# Altium PCB 28pins_Pcb.PcbDoc (part 1 of 2) (continued)
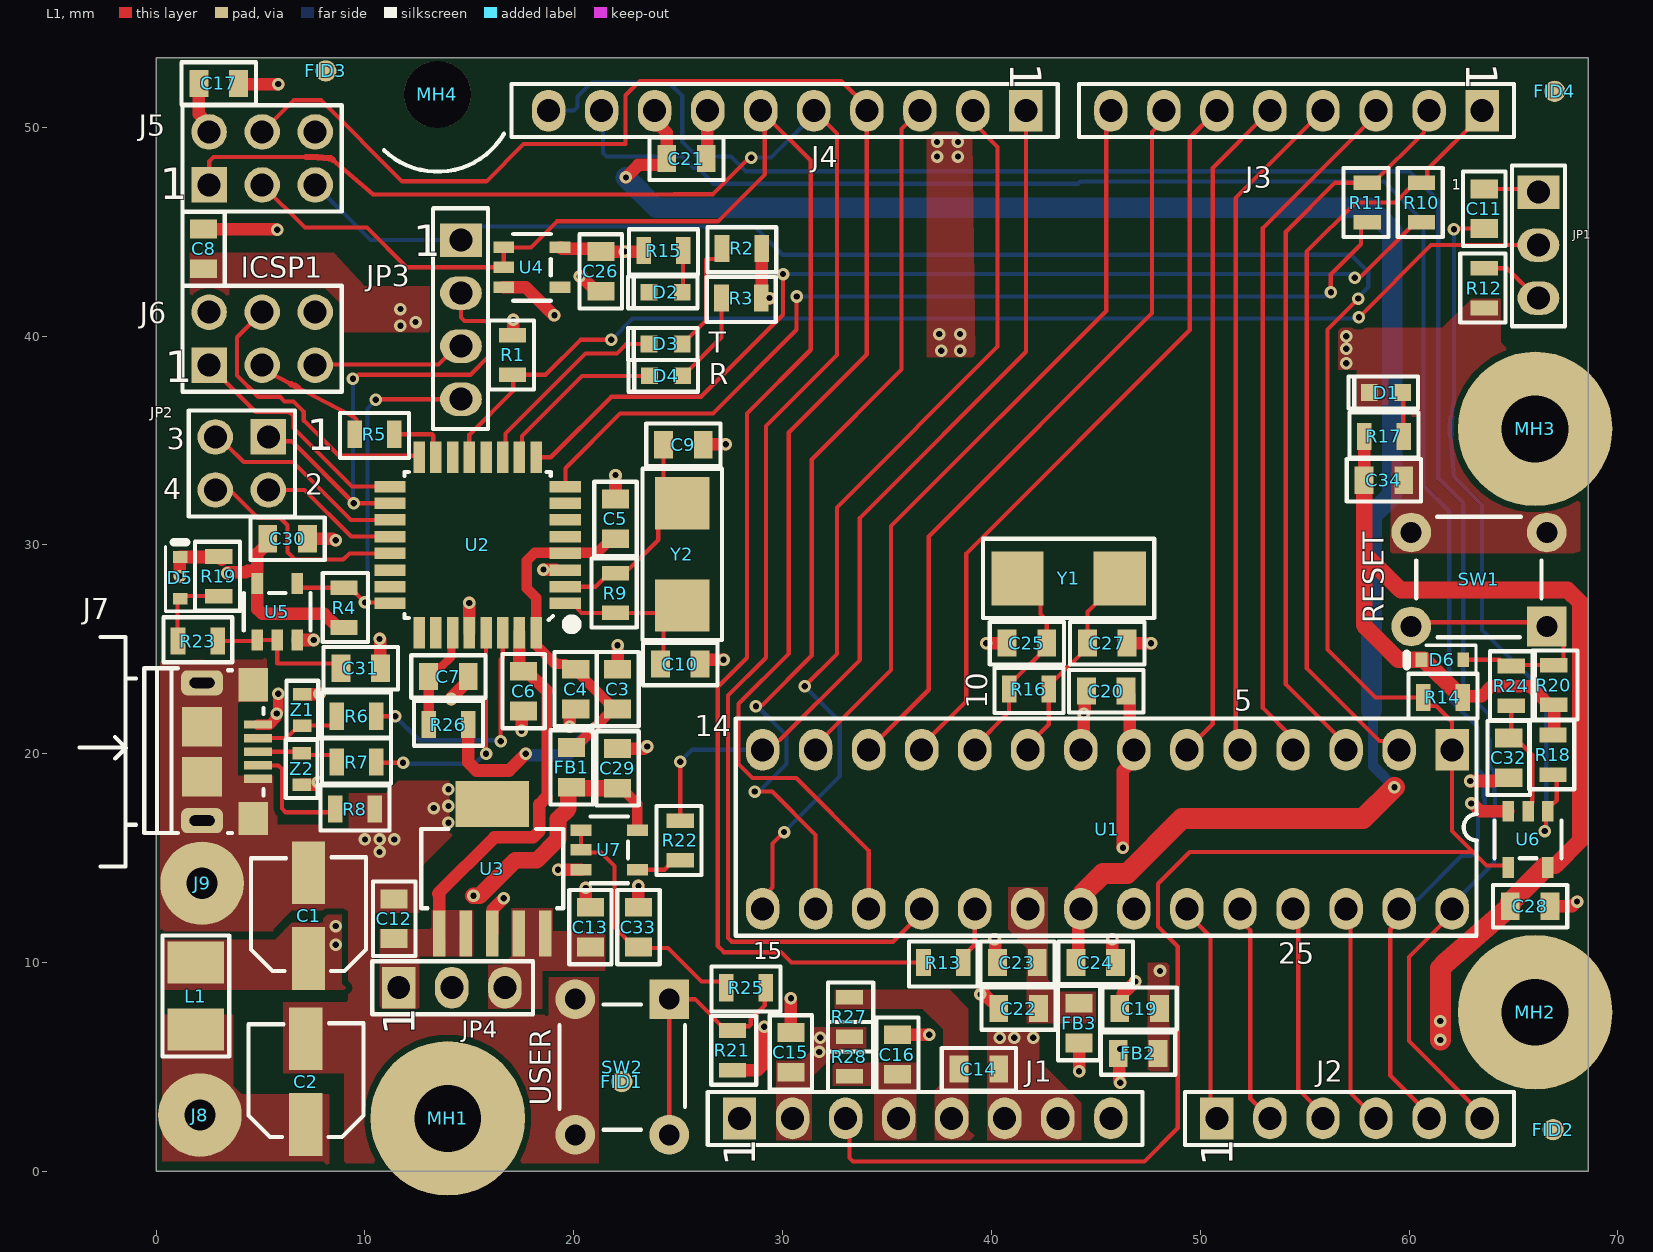
[diagram p0: L1 view]
## Part data (continued)
D5 D6: "Small Signal Schottky Diode, Single, 30 V, 200 Ma, 800 Mv, 600 Ma, 150 C", Average Rectified Current=200mA, Breakdown Voltage=30V, Forward Voltage=240mV, Manufacturer=onsemi, Manufacturer Lifecycle Status=ACTIVE, Max Forward Surge Current (Ifsm)=600mA, Max Operating Temperature=150°C, Max Power Dissipation=200mW, Max Reverse Leakage Current=2µA, Min Operating Temperature=-55°C, Category="Schottky Diodes", China RoHS=Compliant, ComponentLink1Description=https://datasheet.octopart.com:443/BAT54HT1G-ON-Semiconductor-datasheet-37002776.pdf?src-supplier=Master+Electronics, ComponentLink1URL=https://datasheet.octopart.com:443/BAT54HT1G-ON-Semiconductor-datasheet-37002776.pdf?src-supplier=Master+Electronics, ComponentLink2Description=https://datasheet.octopart.com:443/BAT54HT1G-onsemi-datasheet-189128040.pdf?src-supplier=Master+Electronics, ComponentLink2URL=https://datasheet.octopart.com:443/BAT54HT1G-onsemi-datasheet-189128040.pdf?src-supplier=Master+Electronics, ComponentLink3Description=https://datasheet.octopart.com:443/BAT54HT1G-onsemi-datasheet-180957868.pdf?src-supplier=IHS, ComponentLink3URL=https://datasheet.octopart.com:443/BAT54HT1G-onsemi-datasheet-180957868.pdf?src-supplier=IHS, ComponentLink4Description=https://datasheet.octopart.com:443/BAT54HT1G-Fairchild-Semiconductor-datasheet-21199251.pdf?src-supplier=IHS, ComponentLink4URL=https://datasheet.octopart.com:443/BAT54HT1G-Fairchild-Semiconductor-datasheet-21199251.pdf?src-supplier=IHS, ComponentLink5Description=https://datasheet.octopart.com:443/BAT54HT1G-ON-Semiconductor-datasheet-7594180.pdf?src-supplier=onsemi, ComponentLink5URL=https://datasheet.octopart.com:443/BAT54HT1G-ON-Semiconductor-datasheet-7594180.pdf?src-supplier=onsemi, ComponentLink6Description=https://datasheet.octopart.com:443/BAT54HT1G-onsemi-datasheet-181958672.pdf?src-supplier=Newark, ComponentLink6URL=https://datasheet.octopart.com:443/BAT54HT1G-onsemi-datasheet-181958672.pdf?src-supplier=Newark, ComponentLink7Description=https://datasheet.octopart.com:443/BAT54HT1G-ON-Semiconductor-datasheet-11728044.pdf?src-supplier=Newark, ComponentLink7URL=https://datasheet.octopart.com:443/BAT54HT1G-ON-Semiconductor-datasheet-11728044.pdf?src-supplier=Newark, ComponentLink8Description=https://datasheet.octopart.com:443/BAT54HT1G-Fairchild-Semiconductor-datasheet-67878757.pdf?src-supplier=Newark, ComponentLink8URL=https://datasheet.octopart.com:443/BAT54HT1G-Fairchild-Semiconductor-datasheet-67878757.pdf?src-supplier=Newark, ComponentLink9Description=https://datasheet.octopart.com:443/BAT54HT1G-Fairchild-Semiconductor-datasheet-67910283.pdf?src-supplier=Newark, ComponentLink9URL=https://datasheet.octopart.com:443/BAT54HT1G-Fairchild-Semiconductor-datasheet-67910283.pdf?src-supplier=Newark, ComponentLink10Description=https://datasheet.octopart.com:443/BAT54HT1G-Fairchild-Semiconductor-datasheet-12526481.pdf?src-supplier=Fairchild+Semiconductor, ComponentLink10URL=https://datasheet.octopart.com:443/BAT54HT1G-Fairchild-Semiconductor-datasheet-12526481.pdf?src-supplier=Fairchild+Semiconductor, ComponentLink11Description=https://sigma.octopart.com:443/17344476/technical_drawing/Fairchild-Semiconductor-BAT54HT1G.pdf?src-supplier=Fairchild+Semiconductor, ComponentLink11URL=https://sigma.octopart.com:443/17344476/technical_drawing/Fairchild-Semiconductor-BAT54HT1G.pdf?src-supplier=Fairchild+Semiconductor, ComponentLink12Description=https://datasheet.octopart.com:443/BAT54HT1G-ON-Semiconductor-datasheet-78857375.pdf?src-supplier=element14+APAC, ComponentLink12URL=https://datasheet.octopart.com:443/BAT54HT1G-ON-Semiconductor-datasheet-78857375.pdf?src-supplier=element14+APAC, ComponentLink13Description=https://datasheet.octopart.com:443/BAT54HT1G-Fairchild-Semiconductor-datasheet-14041551.pdf?src-supplier=iiiC, ComponentLink13URL=https://datasheet.octopart.com:443/BAT54HT1G-Fairchild-Semiconductor-datasheet-14041551.pdf?src-supplier=iiiC, ComponentLink14Description=https://datasheet.octopart.com:443/BAT54HT1G-ON-Semiconductor-datasheet-9904951.pdf?src-supplier=RS+(Formerly+Allied+Electronics), ComponentLink14URL=https://datasheet.octopart.com:443/BAT54HT1G-ON-Semiconductor-datasheet-9904951.pdf?src-supplier=RS+(Formerly+Allied+Electronics), ComponentLink15Description=https://datasheet.octopart.com:443/BAT54HT1G-ON-Semiconductor-datasheet-8442547.pdf?src-supplier=Jameco, ComponentLink15URL=https://datasheet.octopart.com:443/BAT54HT1G-ON-Semiconductor-datasheet-8442547.pdf?src-supplier=Jameco, ComponentLink16Description=https://datasheet.octopart.com:443/BAT54HT1G-Fairchild-datasheet-1483.pdf?src-supplier=DigiKey, ComponentLink16URL=https://datasheet.octopart.com:443/BAT54HT1G-Fairchild-datasheet-1483.pdf?src-supplier=DigiKey, ComponentLink17Description=https://datasheet.octopart.com:443/BAT54HT1G-Fairchild-Semiconductor-datasheet-68652800.pdf?src-supplier=Farnell, ComponentLink17URL=https://datasheet.octopart.com:443/BAT54HT1G-Fairchild-Semiconductor-datasheet-68652800.pdf?src-supplier=Farnell, ComponentLink18Description=http://sigma.octopart.com:80/15540786/rohs_certificate/ON-Semiconductor-BAT54HT1G.pdf?src-supplier=Compliance+Statements, ComponentLink18URL=http://sigma.octopart.com:80/15540786/rohs_certificate/ON-Semiconductor-BAT54HT1G.pdf?src-supplier=Compliance+Statements, ComponentLink19Description=http://sigma.octopart.com:80/15674218/materials_sheet/ON-Semiconductor-BAT54HT1G.csv?src-supplier=Compliance+Statements, ComponentLink19URL=http://sigma.octopart.com:80/15674218/materials_sheet/ON-Semiconductor-BAT54HT1G.csv?src-supplier=Compliance+Statements, ComponentLink20Description=http://sigma.octopart.com:80/150604023/rohs_statement/ON-Semiconductor-BAT54HT1G.pdf?src-supplier=Compliance+Statements, ComponentLink20URL=http://sigma.octopart.com:80/150604023/rohs_statement/ON-Semiconductor-BAT54HT1G.pdf?src-supplier=Compliance+Statements, ComponentLink21Description=http://sigma.octopart.com:80/17344520/reach_statement/Fairchild-Semiconductor-BAT54HT1G.pdf?src-supplier=Compliance+Statements, ComponentLink21URL=http://sigma.octopart.com:80/17344520/reach_statement/Fairchild-Semiconductor-BAT54HT1G.pdf?src-supplier=Compliance+Statements, ComponentLink22Description=http://sigma.octopart.com:80/17344521/materials_sheet/Fairchild-Semiconductor-BAT54HT1G.pdf?src-supplier=Compliance+Statements, ComponentLink22URL=http://sigma.octopart.com:80/17344521/materials_sheet/Fairchild-Semiconductor-BAT54HT1G.pdf?src-supplier=Compliance+Statements, ComponentLink23Description=http://sigma.octopart.com:80/33050028/reach_statement/Fairchild-Semiconductor-BAT54HT1G.pdf?src-supplier=Compliance+Statements, ComponentLink23URL=http://sigma.octopart.com:80/33050028/reach_statement/Fairchild-Semiconductor-BAT54HT1G.pdf?src-supplier=Compliance+Statements, ComponentLink24Description=http://sigma.octopart.com:80/33050038/materials_sheet/Fairchild-Semiconductor-BAT54HT1G.pdf?src-supplier=Compliance+Statements, ComponentLink24URL=http://sigma.octopart.com:80/33050038/materials_sheet/Fairchild-Semiconductor-BAT54HT1G.pdf?src-supplier=Compliance+Statements, ComponentLink25Description=http://sigma.octopart.com:80/reach_statement/ON-Semiconductor-company-79.pdf?src-supplier=Compliance+Statements, ComponentLink25URL=http://sigma.octopart.com:80/reach_statement/ON-Semiconductor-company-79.pdf?src-supplier=Compliance+Statements, ComponentLink26Description=http://sigma.octopart.com:80/rohs_statement/Fairchild-Semiconductor-company-11.pdf?src-supplier=Compliance+Statements, ComponentLink26URL=http://sigma.octopart.com:80/rohs_statement/Fairchild-Semiconductor-company-11.pdf?src-supplier=Compliance+Statements, ComponentLink27Description=http://sigma.octopart.com:80/rohs_statement/Fairchild-Semiconductor-company-10.pdf?src-supplier=Compliance+Statements, ComponentLink27URL=http://sigma.octopart.com:80/rohs_statement/Fairchild-Semiconductor-company-10.pdf?src-supplier=Compliance+Statements, ComponentLink28Description=http://sigma.octopart.com:80/reach_statement/Fairchild-Semiconductor-company-9.pdf?src-supplier=Compliance+Statements, ComponentLink28URL=http://sigma.octopart.com:80/reach_statement/Fairchild-Semiconductor-company-9.pdf?src-supplier=Compliance+Statements, ComponentLink29Description=https://octopart.com:443/opatz8j6/c1?t=NxqmJXnDQ9SHP2jcfHO_14rNumejt15-16_4_vp5eu6i0yAN1p-X06QrDYPRWMXyxiIHhXDKroLL5cYpOcE-ol8KMF1-bVyUFLJEk0McHoe2qW59b1clotALXMQwloDRPlfMM2Ltv-cJDoGnTfqmQ7WgL399Q5zOCW7d0UoqBvmGylR6P3Ti1cGTJMBlaGi3hCJecvle7Pk7__IIrQCZBzNY0280Lk0G6w4S_Fz_9gHuJxQcvYgE1adTDVVvqNaxq9lP5Aw5VMBFO4D4jn0DfWer_h8vwc6fE7SGE249DHnBaWWp6DmooLI3dA82Fcc4rsUksvYAKydZkpPyiajKpzePRFLsYUTVLA&src-supplier=Compliance+Statements, ComponentLink29URL=https://octopart.com:443/opatz8j6/c1?t=NxqmJXnDQ9SHP2jcfHO_14rNumejt15-16_4_vp5eu6i0yAN1p-X06QrDYPRWMXyxiIHhXDKroLL5cYpOcE-ol8KMF1-bVyUFLJEk0McHoe2qW59b1clotALXMQwloDRPlfMM2Ltv-cJDoGnTfqmQ7WgL399Q5zOCW7d0UoqBvmGylR6P3Ti1cGTJMBlaGi3hCJecvle7Pk7__IIrQCZBzNY0280Lk0G6w4S_Fz_9gHuJxQcvYgE1adTDVVvqNaxq9lP5Aw5VMBFO4D4jn0DfWer_h8vwc6fE7SGE249DHnBaWWp6DmooLI3dA82Fcc4rsUksvYAKydZkpPyiajKpzePRFLsYUTVLA&src-supplier=Compliance+Statements, ComponentLink30Description=https://octopart.com:443/opatz8j6/c1?t=lH6wopDQTvFnMixiXJR5AxXl35ykNnRsla-ZJSesoCQvYAvU1dv64ajw4NS3XZoKwAALpMS_D0k5EjSbnKJKr9HVRH8ouER73FmqYcfXnFDbsGwZzJLwUsZAPMiyf7FMibUpzIuxs-Q1RGbwoPlzOwf11I97rgkrbMu7SXnIg34De2LAMa5PSASGAFMaxRQVQufGhQ-nR_8GDdIDdrNTVvt8hHcPIO7CjhXsBkDjYgRw7gCHY798bKcB-FXCY_GeQoefPFo-axDxKfLr-58B2Ase0eKS3AvWr5fkGG6nPa91JK9J9RYJVvjTgMXB88q-pd9bKlJX62F2RJoo8e5lGf-Dzt5jmn_qeZg&src-supplier=Compliance+Statements, ComponentLink30URL=https://octopart.com:443/opatz8j6/c1?t=lH6wopDQTvFnMixiXJR5AxXl35ykNnRsla-ZJSesoCQvYAvU1dv64ajw4NS3XZoKwAALpMS_D0k5EjSbnKJKr9HVRH8ouER73FmqYcfXnFDbsGwZzJLwUsZAPMiyf7FMibUpzIuxs-Q1RGbwoPlzOwf11I97rgkrbMu7SXnIg34De2LAMa5PSASGAFMaxRQVQufGhQ-nR_8GDdIDdrNTVvt8hHcPIO7CjhXsBkDjYgRw7gCHY798bKcB-FXCY_GeQoefPFo-axDxKfLr-58B2Ase0eKS3AvWr5fkGG6nPa91JK9J9RYJVvjTgMXB88q-pd9bKlJX62F2RJoo8e5lGf-Dzt5jmn_qeZg&src-supplier=Compliance+Statements, Contact Plating=Tin, Country of Origin="Mainland China", Current Rating=200mA, Element Configuration=Single, Export Control Classification Number (ECCN) Code=EAR99, Forward Current=200mA, Harmonized Tariff Schedule (HTS) Code=8541.10.00.70, Height=1mm, Introduction Date=1999-12-06, Lead Free="Lead Free", Length=1.8mm, Lifecycle Status=Production, Manufacturer Part Number=BAT54HT1G, Max Output current=200mA, Max Repetitive Reverse Voltage (Vrrm)=30V, Max Reverse Voltage (DC)=30V, Max Surge Current=600mA, Mounting Technology="Surface Mount", Number of Elements=1, Number of Terminals=2, Output Current=200mA, Packaging="Tape and Reel", Peak Non-Repetitive Surge Current=600mA, Peak Reverse Current=2µA, Pins=2, Polarity=Standard, Power Dissipation=200mW, Pricing="3000=0.0176, 9000=0.0172, 15000=0.017, 45000=0.0166, 75000=0.0162 (USD)", Radiation Hardening=No, REACH SVHC=Yes, Recovery Time=5ns, Reverse Recovery Time=5ns, Reverse Standoff Voltage=30V, Reverse Voltage=30V, RoHS=Compliant, Schedule B="8541100070, 8541100070|8541100070|8541100070|8541100070|8541100070", Stock=24858000, Supplier="Future Electronics", Supplier Part Number=BAT54HT1G, Voltage Rating (DC)=30V, Width=1.35mm
FB1 FB2 FB3: "Ferrite Beads Multi-Layer Power 600Ohm 25% 100MHz 2A 100mOhm DCR 0805 T/R", Case Code (Imperial)=0805, Case Code (Metric)=2012, Clock Frequency=100MHz, Current Rating=2A, DC Resistance (DCR)=100mΩ, Manufacturer=TDK, Manufacturer Lifecycle Status=PRODUCTION, Max Operating Temperature=125°C, Min Operating Temperature=-55°C, Tolerance=25%, Case/Package=0805, Category="Ferrite Beads and Chips", China RoHS=Compliant, ComponentLink1Description=https://datasheet.octopart.com:443/MPZ2012S601AT000-TDK-datasheet-155380320.pdf?src-supplier=ODG+(Origin+Data+Global), ComponentLink1URL=https://datasheet.octopart.com:443/MPZ2012S601AT000-TDK-datasheet-155380320.pdf?src-supplier=ODG+(Origin+Data+Global), ComponentLink2Description=https://datasheet.octopart.com:443/MPZ2012S601AT000-TDK-datasheet-166558464.pdf?src-supplier=Farnell, ComponentLink2URL=https://datasheet.octopart.com:443/MPZ2012S601AT000-TDK-datasheet-166558464.pdf?src-supplier=Farnell, ComponentLink3Description=https://datasheet.octopart.com:443/MPZ2012S601AT000-TDK-datasheet-12512619.pdf?src-supplier=Farnell, ComponentLink3URL=https://datasheet.octopart.com:443/MPZ2012S601AT000-TDK-datasheet-12512619.pdf?src-supplier=Farnell, ComponentLink4Description=https://datasheet.octopart.com:443/MPZ2012S601AT000-TDK-datasheet-8365394.pdf?src-supplier=Farnell, ComponentLink4URL=https://datasheet.octopart.com:443/MPZ2012S601AT000-TDK-datasheet-8365394.pdf?src-supplier=Farnell, ComponentLink5Description=https://datasheet.octopart.com:443/MPZ2012S601AT000-TDK-datasheet-7554990.pdf?src-supplier=Farnell, ComponentLink5URL=https://datasheet.octopart.com:443/MPZ2012S601AT000-TDK-datasheet-7554990.pdf?src-supplier=Farnell, ComponentLink6Description=https://datasheet.octopart.com:443/MPZ2012S601AT000-TDK-datasheet-39118740.pdf?src-supplier=Upverter, ComponentLink6URL=https://datasheet.octopart.com:443/MPZ2012S601AT000-TDK-datasheet-39118740.pdf?src-supplier=Upverter, ComponentLink7Description=https://datasheet.octopart.com:443/MPZ2012S601AT000-TDK-datasheet-82475261.pdf?src-supplier=Newark, ComponentLink7URL=https://datasheet.octopart.com:443/MPZ2012S601AT000-TDK-datasheet-82475261.pdf?src-supplier=Newark, ComponentLink8Description=https://datasheet.octopart.com:443/MPZ2012S601AT000-TDK-datasheet-41739209.pdf?src-supplier=Newark, ComponentLink8URL=https://datasheet.octopart.com:443/MPZ2012S601AT000-TDK-datasheet-41739209.pdf?src-supplier=Newark, ComponentLink9Description=https://datasheet.octopart.com:443/MPZ2012S601AT000-TDK-datasheet-21218011.pdf?src-supplier=Newark, ComponentLink9URL=https://datasheet.octopart.com:443/MPZ2012S601AT000-TDK-datasheet-21218011.pdf?src-supplier=Newark, ComponentLink10Description=https://datasheet.octopart.com:443/MPZ2012S601AT000-TDK-datasheet-21631858.pdf?src-supplier=Future+Electronics, ComponentLink10URL=https://datasheet.octopart.com:443/MPZ2012S601AT000-TDK-datasheet-21631858.pdf?src-supplier=Future+Electronics, ComponentLink11Description=https://datasheet.octopart.com:443/MPZ2012S601AT000-TDK-datasheet-62109747.pdf?src-supplier=Electro+Sonic, ComponentLink11URL=https://datasheet.octopart.com:443/MPZ2012S601AT000-TDK-datasheet-62109747.pdf?src-supplier=Electro+Sonic, ComponentLink12Description=https://datasheet.octopart.com:443/MPZ2012S601AT000-TDK-datasheet-155118627.pdf?src-supplier=Master+Electronics, ComponentLink12URL=https://datasheet.octopart.com:443/MPZ2012S601AT000-TDK-datasheet-155118627.pdf?src-supplier=Master+Electronics, Core Material=Ferrite, ESR=100mΩ, Export Control Classification Number (ECCN) Code=EAR99, Harmonized Tariff Schedule (HTS) Code=8504.50.80.00, Height=850µm, Impedance=600Ω, Introduction Date=2009-03-27, Lead Free="Lead Free", Length=2mm, Lifecycle Status=Production, Manufacturer Part Number=MPZ2012S601AT000, Max DC Current=2A, Max Length=2.2mm, Max Width=1.45mm, Min Length=1.8mm, Min Width=1.05mm, Mounting Technology="Surface Mount", Number of Circuits=1, Packaging="Tape and Reel", Pricing="10=0.0631, 100=0.0441, 500=0.0337, 1000=0.0303, 2000=0.0297 (EUR)", REACH SVHC=Yes, RMS Current (Irms)=2A, RoHS=Compliant, Schedule B="8504500000, 8504500000|8504500000|8504500000|8504500000|8504500000", Stock=90749, Supplier=Farnell, Supplier Part Number=MPZ2012S601AT000, Test Frequency=100MHz, Width=1.25mm
FID1 FID2 FID3 FID4: "Fiducial 40mil Diameter, 120mil Mask"
J1 J3: library part M20-7820842, "2.54mm (0.1) Pitch SIL Vertical PC Tail Socket Assembly, selective gold + tin, 8 contacts\"", Case/Package=SIL, Color=Black, Contact Resistance=20mΩ, Current Rating=3A, Dielectric Material=Polyamide, Insulation Resistance=1GΩ, Manufacturer=Harwin, Max Operating Temperature=105°C, Min Operating Temperature=-40°C, Supplier Part Number=952-1823-ND, Category="Card Edge Connectors", ComponentLink1Description=https://datasheet.octopart.com:443/M20-7820842-Harwin-datasheet-176383844.pdf?src-supplier=Newark, ComponentLink1URL=https://datasheet.octopart.com:443/M20-7820842-Harwin-datasheet-176383844.pdf?src-supplier=Newark, ComponentLink2Description=https://datasheet.octopart.com:443/M20-7820842-Harwin-datasheet-99119574.pdf?src-supplier=HQonline, ComponentLink2URL=https://datasheet.octopart.com:443/M20-7820842-Harwin-datasheet-99119574.pdf?src-supplier=HQonline, ComponentLink3Description=http://sigma.octopart.com:80/15888290/rohs_statement/Harwin-M20-7820842.pdf?src-supplier=Compliance+Statements, ComponentLink3URL=http://sigma.octopart.com:80/15888290/rohs_statement/Harwin-M20-7820842.pdf?src-supplier=Compliance+Statements, Connector Type="Receptacle, Socket", Contact Gender=Female, Contact Material=Bronze, Contact Plating="Gold, Tin", Country of Origin="Mainland China", Depth=2.5mm, Export Control Classification Number (ECCN) Code=EAR99, Gender=Female, Harmonized Tariff Schedule (HTS) Code=8536.69.40.40, Housing Color=Black, Housing Material=Polyamide, Introduction Date=2005-06-27, Length=20.72mm, Lifecycle Status=Production, Manufacturer Part Number=M20-7820842, Max Current Rating=3A, Mounting Technology="Through Hole", Number of Contacts=8, Number of Positions=8, Number of Rows=1, Orientation=Straight, Pins=8, Pitch=2.54mm, Pricing="1=1.09, 27=0.86593, 108=1.09, 513=0.70333, 1026=0.66975, 5022=0.59878, 10017=0.57033 (EUR)", Radiation Hardening=No, REACH SVHC=Yes, RoHS=Compliant, Stock=3322, Supplier=DigiKey, Terminal Pitch=2.54mm, Termination=Solder, Weight=719.992839mg
J2: library part M20-7820646, "Conn Socket Strip Receptacle 6 Position 2.54mm Solder Straight Through Hole Tube", Case/Package=SIL, Color=Black, Contact Resistance=20mΩ, Current Rating=3A, Dielectric Material=Polyamide, Insulation Resistance=1GΩ, Manufacturer=Harwin, Max Operating Temperature=105°C, Min Operating Temperature=-40°C, Supplier Part Number=1613692, Category="Card Edge Connectors", ComponentLink1Description=https://datasheet.octopart.com:443/M20-7820646-Harwin-datasheet-176383844.pdf?src-supplier=Newark, ComponentLink1URL=https://datasheet.octopart.com:443/M20-7820646-Harwin-datasheet-176383844.pdf?src-supplier=Newark, ComponentLink2Description=https://datasheet.octopart.com:443/M20-7820646-Harwin-datasheet-99119574.pdf?src-supplier=HQonline, ComponentLink2URL=https://datasheet.octopart.com:443/M20-7820646-Harwin-datasheet-99119574.pdf?src-supplier=HQonline, ComponentLink3Description=https://datasheet.octopart.com:443/M20-7820646-Harwin-datasheet-188872139.pdf?src-supplier=TME, ComponentLink3URL=https://datasheet.octopart.com:443/M20-7820646-Harwin-datasheet-188872139.pdf?src-supplier=TME, ComponentLink4Description=https://datasheet.octopart.com:443/M20-7820646-Harwin-datasheet-137074310.pdf?src-supplier=X-ON, ComponentLink4URL=https://datasheet.octopart.com:443/M20-7820646-Harwin-datasheet-137074310.pdf?src-supplier=X-ON, ComponentLink5Description=http://sigma.octopart.com:80/15888285/rohs_statement/Harwin-M20-7820646.pdf?src-supplier=Compliance+Statements, ComponentLink5URL=http://sigma.octopart.com:80/15888285/rohs_statement/Harwin-M20-7820646.pdf?src-supplier=Compliance+Statements, Connector Type="Receptacle, Socket", Contact Gender=Female, Contact Material=Bronze, Contact Plating=Tin, Country of Origin="Mainland China", Depth=2.5mm, Export Control Classification Number (ECCN) Code=EAR99, Gender=Female, Harmonized Tariff Schedule (HTS) Code=8536.69.40.40, Housing Color=Black, Housing Material=Nylon, Introduction Date=2005-06-27, Length=15.64mm, Lifecycle Status=Production, Manufacturer Part Number=M20-7820646, Max Current Rating=3A, Mounting Technology="Through Hole", Number of Contacts=6, Number of Positions=6, Number of Rows=1, Orientation=Straight, Pins=6, Pitch=2.54mm, Pricing="5=1.174, 25=1.034, 50=0.924, 100=0.864, 250=0.812 (EUR)", Radiation Hardening=No, REACH SVHC=Yes, RoHS=Compliant, Stock=135, Supplier=RS, Terminal Pitch=2.54mm, Termination=Solder
J4: "Conn Socket Strip Receptacle 10 Position 2.54mm Solder Straight Through Hole Tube", Case/Package=SIL, Color=Black, Contact Resistance=20mΩ, Current Rating=3A, Dielectric Material=Polyamide, Insulation Resistance=1GΩ, Manufacturer=Harwin, Max Operating Temperature=105°C, Min Operating Temperature=-40°C, Operating Force=4.8928N, Supplier Part Number=6816826, Category="Card Edge Connectors", ComponentLink1Description=https://datasheet.octopart.com:443/M20-7821046-Harwin-datasheet-176383844.pdf?src-supplier=Electro+Sonic, ComponentLink1URL=https://datasheet.octopart.com:443/M20-7821046-Harwin-datasheet-176383844.pdf?src-supplier=Electro+Sonic, ComponentLink2Description=https://datasheet.octopart.com:443/M20-7821046-Harwin-datasheet-99119574.pdf?src-supplier=Upverter, ComponentLink2URL=https://datasheet.octopart.com:443/M20-7821046-Harwin-datasheet-99119574.pdf?src-supplier=Upverter, ComponentLink3Description=https://datasheet.octopart.com:443/M20-7821046-Harwin-datasheet-526273.pdf?src-supplier=Upverter, ComponentLink3URL=https://datasheet.octopart.com:443/M20-7821046-Harwin-datasheet-526273.pdf?src-supplier=Upverter, ComponentLink4Description=https://datasheet.octopart.com:443/M20-7821046-Harwin-datasheet-96624206.pdf?src-supplier=element14+APAC, ComponentLink4URL=https://datasheet.octopart.com:443/M20-7821046-Harwin-datasheet-96624206.pdf?src-supplier=element14+APAC, ComponentLink5Description=https://datasheet.octopart.com:443/M20-7821046-Harwin-datasheet-6396485.pdf?src-supplier=Newark, ComponentLink5URL=https://datasheet.octopart.com:443/M20-7821046-Harwin-datasheet-6396485.pdf?src-supplier=Newark, ComponentLink6Description=https://datasheet.octopart.com:443/M20-7821046-Harwin-datasheet-32864534.pdf?src-supplier=Newark, ComponentLink6URL=https://datasheet.octopart.com:443/M20-7821046-Harwin-datasheet-32864534.pdf?src-supplier=Newark, ComponentLink7Description=https://datasheet.octopart.com:443/M20-7821046-Harwin-datasheet-15888280.pdf?src-supplier=Newark, ComponentLink7URL=https://datasheet.octopart.com:443/M20-7821046-Harwin-datasheet-15888280.pdf?src-supplier=Newark, ComponentLink8Description=https://datasheet.octopart.com:443/M20-7821046-Harwin-datasheet-188872139.pdf?src-supplier=TME, ComponentLink8URL=https://datasheet.octopart.com:443/M20-7821046-Harwin-datasheet-188872139.pdf?src-supplier=TME, ComponentLink9Description=https://datasheet.octopart.com:443/M20-7821046-Harwin-datasheet-14706651.pdf?src-supplier=Farnell, ComponentLink9URL=https://datasheet.octopart.com:443/M20-7821046-Harwin-datasheet-14706651.pdf?src-supplier=Farnell, ComponentLink10Description=http://sigma.octopart.com:80/15888295/rohs_statement/Harwin-M20-7821046.pdf?src-supplier=Compliance+Statements, ComponentLink10URL=http://sigma.octopart.com:80/15888295/rohs_statement/Harwin-M20-7821046.pdf?src-supplier=Compliance+Statements, Connector Type="Receptacle, Socket", Contact Gender=Female, Contact Material=Bronze, Contact Plating=Tin, Depth=2.5mm, Gender=Female, Hole Diameter=800µm, Housing Color=Black, Housing Material=Polyamide, Lead Pitch=2.54mm, Length=25.8mm, Lifecycle Status=Production, Manufacturer Part Number=M20-7821046, Max Current Rating=3A, Mounting Technology="Through Hole", Number of Contacts=10, Number of Positions=10, Number of Rows=1, Orientation=Straight, Pins=10, Pitch=2.54mm, Pricing="5=1.454, 100=1.112, 375=1.002, 1500=0.814, 3000=0.734 (EUR)", Radiation Hardening=No, REACH SVHC=Yes, RoHS=Compliant, Stock=800, Supplier=RS, Terminal Pitch=2.54mm, Termination=Solder
J5 J6: library part 67997-106HLF, "Conn Unshrouded Header HDR 6 POS 2.54mm Solder ST Top Entry Thru-Hole BergStik® Bag", Color=Black, Current Rating=5A, Dielectric Material=Polyethylene, Flammability Rating="UL94 V-0", Insulation Resistance=5GΩ, Manufacturer="Amphenol Communications Solutions", Max Operating Temperature=130°C, Max Voltage Rating (AC)=1.5kV, Min Operating Temperature=-65°C, Category="Headers and Wire Housings", China RoHS=Compliant, ComponentLink1Description=https://datasheet.octopart.com:443/67997-106HLF-Amphenol-Communications-Solutions-datasheet-10288749.pdf?src-supplier=Newark, ComponentLink1URL=https://datasheet.octopart.com:443/67997-106HLF-Amphenol-Communications-Solutions-datasheet-10288749.pdf?src-supplier=Newark, ComponentLink2Description=https://datasheet.octopart.com:443/67997-106HLF-Areva-datasheet-10052131.pdf?src-supplier=Newark, ComponentLink2URL=https://datasheet.octopart.com:443/67997-106HLF-Areva-datasheet-10052131.pdf?src-supplier=Newark, ComponentLink3Description=https://datasheet.octopart.com:443/67997-106HLF-Areva-datasheet-8877144.pdf?src-supplier=Newark, ComponentLink3URL=https://datasheet.octopart.com:443/67997-106HLF-Areva-datasheet-8877144.pdf?src-supplier=Newark, ComponentLink4Description=https://datasheet.octopart.com:443/67997-106HLF-Areva-datasheet-8731571.pdf?src-supplier=Newark, ComponentLink4URL=https://datasheet.octopart.com:443/67997-106HLF-Areva-datasheet-8731571.pdf?src-supplier=Newark, ComponentLink5Description=https://datasheet.octopart.com:443/67997-106HLF-Areva-datasheet-8486089.pdf?src-supplier=Newark, ComponentLink5URL=https://datasheet.octopart.com:443/67997-106HLF-Areva-datasheet-8486089.pdf?src-supplier=Newark, ComponentLink6Description=https://datasheet.octopart.com:443/67997-106HLF-Amphenol-ICC---FCI-datasheet-188474449.pdf?src-supplier=JRH+Electronics, ComponentLink6URL=https://datasheet.octopart.com:443/67997-106HLF-Amphenol-ICC---FCI-datasheet-188474449.pdf?src-supplier=JRH+Electronics, ComponentLink7Description=https://datasheet.octopart.com:443/67997-106HLF-Amphenol-Communications-Solutions-datasheet-36854132.pdf?src-supplier=Farnell, ComponentLink7URL=https://datasheet.octopart.com:443/67997-106HLF-Amphenol-Communications-Solutions-datasheet-36854132.pdf?src-supplier=Farnell, ComponentLink8Description=https://datasheet.octopart.com:443/67997-106HLF-Amphenol-Communications-Solutions-datasheet-20739478.pdf?src-supplier=RS+(Formerly+Allied+Electronics), ComponentLink8URL=https://datasheet.octopart.com:443/67997-106HLF-Amphenol-Communications-Solutions-datasheet-20739478.pdf?src-supplier=RS+(Formerly+Allied+Electronics), ComponentLink9Description=https://datasheet.octopart.com:443/67997-106HLF-Areva-datasheet-118652.pdf?src-supplier=DigiKey, ComponentLink9URL=https://datasheet.octopart.com:443/67997-106HLF-Areva-datasheet-118652.pdf?src-supplier=DigiKey, Connector Type="Male Pin", Contact Gender=Male, Contact Material=Bronze, Contact Mating Length=5.842mm, Contact Plating=Gold, Depth=4.83mm, Export Control Classification Number (ECCN) Code=EAR99, Gender=Male, Harmonized Tariff Schedule (HTS) Code=8536.69.40.40, Housing Color=Black, Housing Material=Thermoplastic, Introduction Date=2005-07-24, Lead Free="Lead Free", Lead Length=3.05mm, Lead Pitch=2.54mm, Length=7.62mm, Lifecycle Status=Production, Manufacturer Part Number=67997-106HLF, Mating Post Length=5.84mm, Mounting Technology="Through Hole", Number of Contacts=6, Number of Positions=6, Number of Rows=2, Orientation=Straight, Pins=6, Pitch=2.54mm, Pricing="1=0.9558 (USD)", Radiation Hardening=No, REACH SVHC=Yes, RoHS=Compliant, Row Spacing=2.54mm, Schedule B="8535908040, 8535908040|8535908040|8535908040|8535908040|8535908040|8535908040|8535908040|8535908040|8535908040|8535908040|8535908040|8535908040|8535908040|8535908040|8535908040|8535908040|8535908040|8535908040|8535908040|8535908040|8535908040|8535908040|8535908040|85", Stock=20, Supplier="Arrow Electronics", Supplier Part Number=67997-106HLF, Terminal Pitch=2.54mm, Termination="Through Hole", Voltage Rating=1.5kV
J7: "USB - micro B USB 2.0 Receptacle Connector 5 Position Surface Mount, Right Angle, Horizontal", Color=Black, Contact Resistance=30mΩ, Current Rating=1.8A, Dielectric Material="Liquid Crystal Polymer", Flammability Rating="UL94 V-0", Insulation Resistance=1GΩ, Manufacturer="Amphenol Communications Solutions", Max Operating Temperature=80°C, Max Voltage Rating (AC)=100V, Min Operating Temperature=-55°C, Operating Force=35.1392N, Category="USB Connectors", China RoHS=Compliant, ComponentLink1Description=https://datasheet.octopart.com:443/10118193-0001LF-Amphenol-Communications-Solutions-datasheet-182239125.pdf?src-supplier=IHS, ComponentLink1URL=https://datasheet.octopart.com:443/10118193-0001LF-Amphenol-Communications-Solutions-datasheet-182239125.pdf?src-supplier=IHS, ComponentLink2Description=https://datasheet.octopart.com:443/10118193-0001LF-Amphenol-Communications-Solutions-datasheet-55953155.pdf?src-supplier=TME, ComponentLink2URL=https://datasheet.octopart.com:443/10118193-0001LF-Amphenol-Communications-Solutions-datasheet-55953155.pdf?src-supplier=TME, ComponentLink3Description=https://datasheet.octopart.com:443/10118193-0001LF-Amphenol-ICC-datasheet-116246833.pdf?src-supplier=Upverter, ComponentLink3URL=https://datasheet.octopart.com:443/10118193-0001LF-Amphenol-ICC-datasheet-116246833.pdf?src-supplier=Upverter, ComponentLink4Description=https://datasheet.octopart.com:443/10118193-0001LF-FCI-datasheet-141913714.pdf?src-supplier=Upverter, ComponentLink4URL=https://datasheet.octopart.com:443/10118193-0001LF-FCI-datasheet-141913714.pdf?src-supplier=Upverter, ComponentLink5Description=https://datasheet.octopart.com:443/10118193-0001LF-Amphenol-Communications-Solutions-datasheet-96019471.pdf?src-supplier=element14+APAC, ComponentLink5URL=https://datasheet.octopart.com:443/10118193-0001LF-Amphenol-Communications-Solutions-datasheet-96019471.pdf?src-supplier=element14+APAC, ComponentLink6Description=https://datasheet.octopart.com:443/10118193-0001LF-Amphenol-Communications-Solutions-datasheet-11792339.pdf?src-supplier=Electro+Sonic, ComponentLink6URL=https://datasheet.octopart.com:443/10118193-0001LF-Amphenol-Communications-Solutions-datasheet-11792339.pdf?src-supplier=Electro+Sonic, ComponentLink7Description=https://datasheet.octopart.com:443/10118193-0001LF-Amphenol-Communications-Solutions-datasheet-13702206.pdf?src-supplier=RS+(Formerly+Allied+Electronics), ComponentLink7URL=https://datasheet.octopart.com:443/10118193-0001LF-Amphenol-Communications-Solutions-datasheet-13702206.pdf?src-supplier=RS+(Formerly+Allied+Electronics), Connector Type="Receptacle, USB", Contact Gender=Female, Contact Material="Gold, Nickel", Contact Plating=Gold, Depth=5.67mm, Features=Shielded, Height=3mm, Housing Material=Polymer, Length=7.86mm, Lifecycle Status=Production, Manufacturer Part Number=10118193-0001LF, Mounting Technology="Horizontal, Surface Mount", Number of Contacts=5, Number of Ports=1, Number of Rows=1, Number of Terminals=5, Orientation="Right Angle", Pins=5, Pitch=650µm, Plating Thickness=762nm, Pricing="1200=0.265, 2400=0.26, 3600=0.255, 6000=0.25 (USD)", Radiation Hardening=No, REACH SVHC=Yes, RoHS=Compliant, Shell Material="Stainless Steel", Stock=7200, Supplier="Future Electronics", Supplier Part Number=10118193-0001LF, Terminal Pitch=660.4µm, Termination=Solder, USB Standard="USB 2.0", Voltage Rating=100V
J8 J9: library part PAD_WITH_HOLE_4MMx1.5MM, "Pad with a hole 4mmx1.5mm"
JP1 JP4: library part 68000-103HLF, "Pin Header, Board-to-Board, 2.54 mm, 1 Rows, 3 Contacts, Through Hole, FCI BergStik II 68000", Color=Black, Current Rating=3A, Dielectric Material=Polyethylene, Flammability Rating="UL94 V-0", Insulation Resistance=5GΩ, Manufacturer="Amphenol Communications Solutions", Max Operating Temperature=125°C, Max Voltage Rating (AC)=1.5kV, Min Operating Temperature=-65°C, Voltage Rating=1.05kV, Category="Headers and Wire Housings", China RoHS=Compliant, ComponentLink1Description=https://datasheet.octopart.com:443/68000-103HLF-Amphenol-ICC---FCI-datasheet-155511504.pdf?src-supplier=Upverter, ComponentLink1URL=https://datasheet.octopart.com:443/68000-103HLF-Amphenol-ICC---FCI-datasheet-155511504.pdf?src-supplier=Upverter, ComponentLink2Description=https://datasheet.octopart.com:443/68000-103HLF-Amphenol-Communications-Solutions-datasheet-10088795.pdf?src-supplier=Farnell, ComponentLink2URL=https://datasheet.octopart.com:443/68000-103HLF-Amphenol-Communications-Solutions-datasheet-10088795.pdf?src-supplier=Farnell, ComponentLink3Description=https://datasheet.octopart.com:443/68000-103HLF-Amphenol-Communications-Solutions-datasheet-41232361.pdf?src-supplier=Farnell, ComponentLink3URL=https://datasheet.octopart.com:443/68000-103HLF-Amphenol-Communications-Solutions-datasheet-41232361.pdf?src-supplier=Farnell, ComponentLink4Description=https://datasheet.octopart.com:443/68000-103HLF-Areva-datasheet-8861575.pdf?src-supplier=Newark, ComponentLink4URL=https://datasheet.octopart.com:443/68000-103HLF-Areva-datasheet-8861575.pdf?src-supplier=Newark, ComponentLink5Description=https://datasheet.octopart.com:443/68000-103HLF-Areva-datasheet-8713716.pdf?src-supplier=Newark, ComponentLink5URL=https://datasheet.octopart.com:443/68000-103HLF-Areva-datasheet-8713716.pdf?src-supplier=Newark, ComponentLink6Description=https://datasheet.octopart.com:443/68000-103HLF-Areva-datasheet-8449737.pdf?src-supplier=Newark, ComponentLink6URL=https://datasheet.octopart.com:443/68000-103HLF-Areva-datasheet-8449737.pdf?src-supplier=Newark, ComponentLink7Description=https://datasheet.octopart.com:443/68000-103HLF-Amphenol-Communications-Solutions-datasheet-154727322.pdf?src-supplier=Electro+Sonic, ComponentLink7URL=https://datasheet.octopart.com:443/68000-103HLF-Amphenol-Communications-Solutions-datasheet-154727322.pdf?src-supplier=Electro+Sonic, ComponentLink8Description=https://datasheet.octopart.com:443/68000-103HLF-Amphenol-Communications-Solutions-datasheet-100449246.pdf?src-supplier=TME, ComponentLink8URL=https://datasheet.octopart.com:443/68000-103HLF-Amphenol-Communications-Solutions-datasheet-100449246.pdf?src-supplier=TME, ComponentLink9Description=https://datasheet.octopart.com:443/68000-103HLF-Amphenol-datasheet-170317325.pdf?src-supplier=Amar+Radio+Corporation, ComponentLink9URL=https://datasheet.octopart.com:443/68000-103HLF-Amphenol-datasheet-170317325.pdf?src-supplier=Amar+Radio+Corporation, ComponentLink10Description=https://datasheet.octopart.com:443/68000-103HLF-Amphenol-Communications-Solutions-datasheet-13448982.pdf?src-supplier=RS+(Formerly+Allied+Electronics), ComponentLink10URL=https://datasheet.octopart.com:443/68000-103HLF-Amphenol-Communications-Solutions-datasheet-13448982.pdf?src-supplier=RS+(Formerly+Allied+Electronics), Connector Type="Male Pin", Contact Gender=Male, Contact Material=Gold, Contact Mating Length=5.842mm, Contact Plating=Gold, Depth=2.41mm, Gender=Male, Height=8.73mm, Housing Color=Black, Housing Material=Thermoplastic, Lead Length=2.41mm, Lead Pitch=2.54mm, Length=7.62mm, Lifecycle Status=Production, Manufacturer Part Number=68000-103HLF, Mating Post Length=5.84mm, Mounting Technology="Through Hole", Number of Contacts=3, Number of Positions=3, Number of Rows=1, Orientation=Straight, Packaging=Bulk, Pins=3, Pitch=2.54mm, Plating Thickness=762nm, Pricing="200=0.196, 500=0.193, 2000=0.188, 3000=0.186, 7500=0.181 (USD)", Radiation Hardening=No, REACH SVHC=Yes, RoHS=Compliant, Stock=20000, Supplier="Future Electronics", Supplier Part Number=68000-103HLF, Terminal Pitch=2.54mm, Termination=Solder
JP2: library part 10129381-904003BLF, "Conn Unshrouded Header HDR 4 POS 2.54mm Solder ST Thru-Hole Poly Bag", Contact Resistance=20mΩ, Current Rating=3A, Dielectric Material=Polyethylene, Insulation Resistance=1GΩ, Manufacturer="Amphenol Communications Solutions", Max Operating Temperature=105°C, Min Operating Temperature=-55°C, Operating Force=2.5N, Supplier Part Number=10129381-904003BLF-ND, Category="Card Edge Connectors", ComponentLink1Description=https://datasheet.octopart.com:443/10129381-904003BLF-Amphenol-Communications-Solutions-datasheet-168215084.pdf?src-supplier=IHS, ComponentLink1URL=https://datasheet.octopart.com:443/10129381-904003BLF-Amphenol-Communications-Solutions-datasheet-168215084.pdf?src-supplier=IHS, ComponentLink2Description=https://datasheet.octopart.com:443/10129381-904003BLF-Amphenol-Communications-Solutions-datasheet-100454231.pdf?src-supplier=Newark, ComponentLink2URL=https://datasheet.octopart.com:443/10129381-904003BLF-Amphenol-Communications-Solutions-datasheet-100454231.pdf?src-supplier=Newark, Contact Gender=Male, Lifecycle Status=Production, Manufacturer Part Number=10129381-904003BLF, Number of Rows=2, Pins=4, Pricing="1=0.15, 10=0.123, 100=0.15, 500=0.09316, 2000=0.08448, 6000=0.07817, 10000=0.0754 (EUR)", REACH SVHC=Yes, RoHS=Compliant, Row Spacing=2.54mm, Stock=18637, Supplier=DigiKey, Terminal Pitch=2.54mm
JP3: library part 68000-204HLF, "Conn Unshrouded Header HDR 4 POS 2.54mm Solder ST Top Entry Thru-Hole BergStik® Bulk", Color=Black, Current Rating=3A, Flammability Rating="UL94 V-0", Insulation Resistance=5GΩ, Manufacturer="Amphenol Communications Solutions", Max Operating Temperature=130°C, Max Voltage Rating (AC)=1.5kV, Min Operating Temperature=-65°C, Supplier Part Number=609-3255-ND, Category="Headers and Wire Housings", China RoHS=Compliant, ComponentLink1Description=https://datasheet.octopart.com:443/68000-204HLF-Amphenol-Communications-Solutions-datasheet-151206381.pdf?src-supplier=Farnell, ComponentLink1URL=https://datasheet.octopart.com:443/68000-204HLF-Amphenol-Communications-Solutions-datasheet-151206381.pdf?src-supplier=Farnell, ComponentLink2Description=https://datasheet.octopart.com:443/68000-204HLF-Areva-datasheet-10088795.pdf?src-supplier=Newark, ComponentLink2URL=https://datasheet.octopart.com:443/68000-204HLF-Areva-datasheet-10088795.pdf?src-supplier=Newark, ComponentLink3Description=https://datasheet.octopart.com:443/68000-204HLF-Areva-datasheet-8861575.pdf?src-supplier=Newark, ComponentLink3URL=https://datasheet.octopart.com:443/68000-204HLF-Areva-datasheet-8861575.pdf?src-supplier=Newark, ComponentLink4Description=https://datasheet.octopart.com:443/68000-204HLF-Areva-datasheet-8713716.pdf?src-supplier=Newark, ComponentLink4URL=https://datasheet.octopart.com:443/68000-204HLF-Areva-datasheet-8713716.pdf?src-supplier=Newark, ComponentLink5Description=https://datasheet.octopart.com:443/68000-204HLF-Areva-datasheet-8449737.pdf?src-supplier=Newark, ComponentLink5URL=https://datasheet.octopart.com:443/68000-204HLF-Areva-datasheet-8449737.pdf?src-supplier=Newark, ComponentLink6Description=https://datasheet.octopart.com:443/68000-204HLF-Amphenol-Communications-Solutions-datasheet-41232361.pdf?src-supplier=Newark, ComponentLink6URL=https://datasheet.octopart.com:443/68000-204HLF-Amphenol-Communications-Solutions-datasheet-41232361.pdf?src-supplier=Newark, ComponentLink7Description=https://datasheet.octopart.com:443/68000-204HLF-Amphenol-Communications-Solutions-datasheet-154727322.pdf?src-supplier=Electro+Sonic, ComponentLink7URL=https://datasheet.octopart.com:443/68000-204HLF-Amphenol-Communications-Solutions-datasheet-154727322.pdf?src-supplier=Electro+Sonic, ComponentLink8Description=https://datasheet.octopart.com:443/68000-204HLF-Amphenol-Communications-Solutions-datasheet-100449246.pdf?src-supplier=TME, ComponentLink8URL=https://datasheet.octopart.com:443/68000-204HLF-Amphenol-Communications-Solutions-datasheet-100449246.pdf?src-supplier=TME, ComponentLink9Description=https://datasheet.octopart.com:443/68000-204HLF-Amphenol-Communications-Solutions-datasheet-20739487.pdf?src-supplier=RS+(Formerly+Allied+Electronics), ComponentLink9URL=https://datasheet.octopart.com:443/68000-204HLF-Amphenol-Communications-Solutions-datasheet-20739487.pdf?src-supplier=RS+(Formerly+Allied+Electronics), Connector Type="Male Pin", Contact Gender=Male, Contact Material="Gold, Nickel", Contact Mating Length=5.842mm, Contact Plating=Gold, Depth=2.41mm, Export Control Classification Number (ECCN) Code=EAR99, Gender=Male, Harmonized Tariff Schedule (HTS) Code=8536.69.40.40, Height=8.73mm, Housing Color=Black, Housing Material=Thermoplastic, Introduction Date=2002-04-24, Lead Length=2.41mm, Length=10.16mm, Lifecycle Status=Production, Manufacturer Part Number=68000-204HLF, Mating Post Length=5.84mm, Mounting Technology="Through Hole", Number of Contacts=4, Number of Positions=4, Number of Rows=1, Orientation=Straight, Pins=4, Pitch=2.54mm, Pricing="1=0.31, 10=0.262, 100=0.31, 500=0.19816, 1000=0.1887, 5000=0.16843, 10000=0.16039 (EUR)", Radiation Hardening=No, REACH SVHC=Yes, RoHS=Compliant, Stock=4398, Supplier=DigiKey, Terminal Pitch=2.54mm, Termination=Solder, Voltage Rating=1.5kV